# Altium PCB DRS4-PCB.PcbDoc (part 13 of 15) (continued)
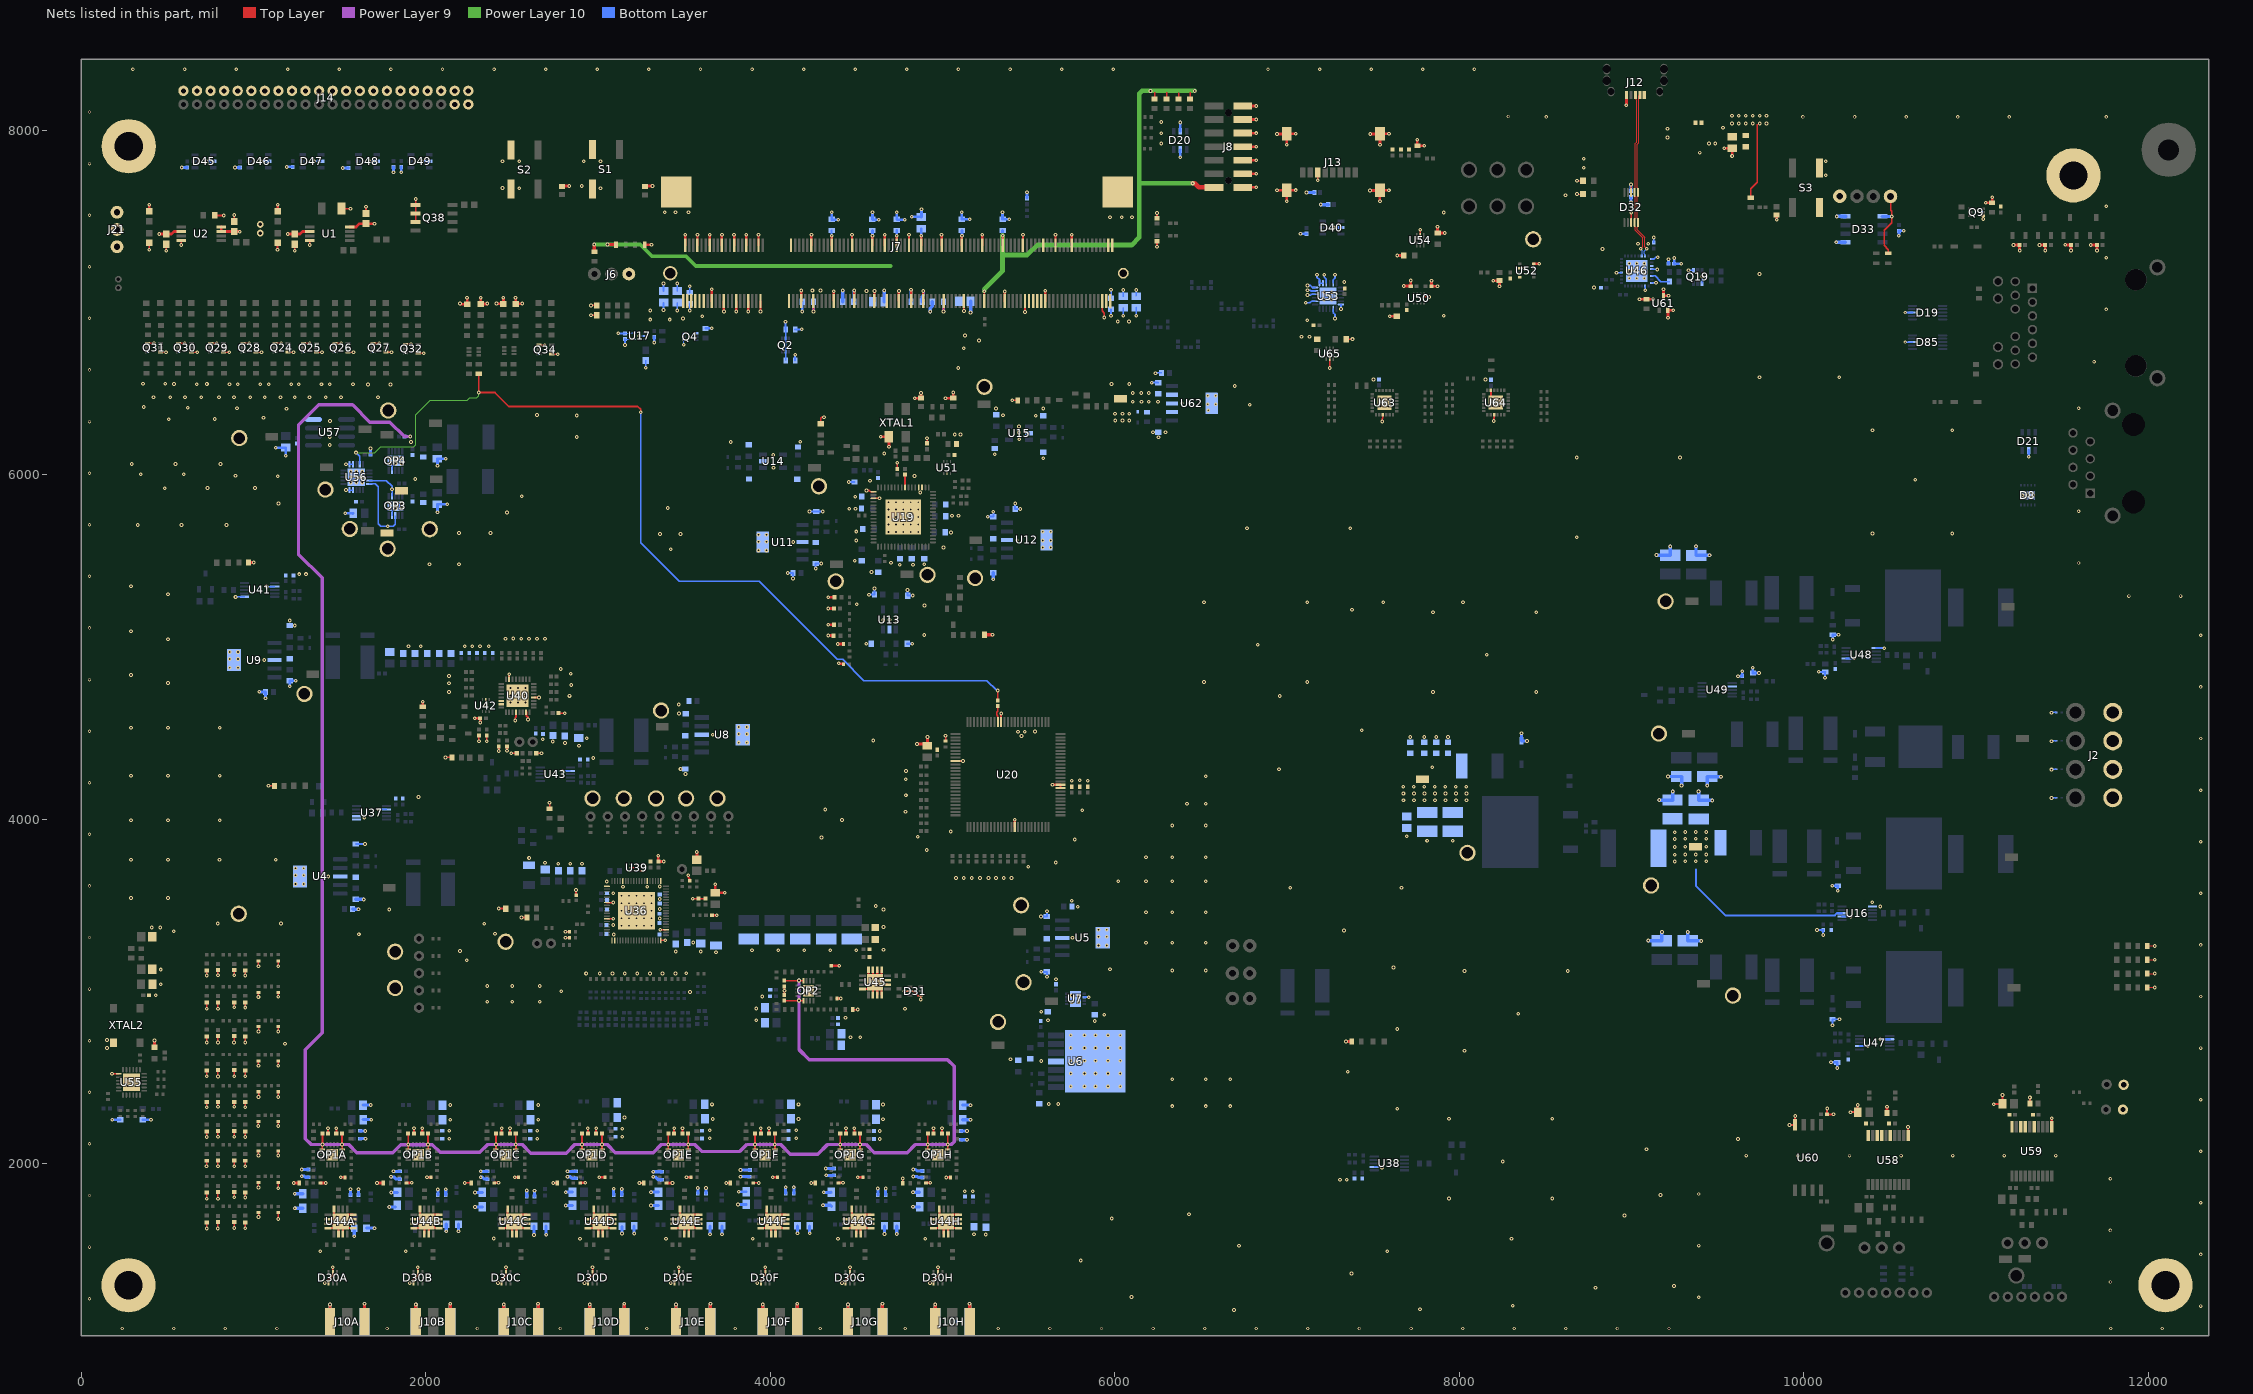
[diagram p23: the nets of this part, all layers, seen from the top]
## Nets (pads, with @x,y where several pads share a name; then routed paths per layer and width w, separated by ;. In a path a pad name is that pad's centre, name@x,y a point inside that pad or via, vN(x,y) a via of type N, cw(c..) or ccw(c..) an arc to the next point about the centre after c; other vN are vias at no path point) (continued)
  Top Layer w9.84: v1(2306.72,6477.06) 2400.65,6477.06 2481.53,6396.18 3230.41,6396.18 3247.37,6379.21 v1(3247.37,6361.97)
  Top Layer w10: v1(2306.72,6477.06) R318.1@2306.72,6586.61
  Power Layer 10 w6.88: v1(1594.59,6128.21) 1702.43,6128.21 1736.65,6162.43 1928.1,6162.43 1940.44,6174.77 1940.44,6346.85 2026.16,6432.57 2239.34,6432.57 2253.35,6446.58 2294.83,6446.58 2306.72,6458.46 v1(2306.72,6477.06)
  Bottom Layer w7.87: v1@3248.03,6361.97 3248.03,5604.02 3470.95,5381.11 3933.89,5381.11 4387.8,4927.2 4418.73,4927.2 4540.93,4805 5256.98,4805 5314.35,4747.62 v1(5319.88,4747.62)
  Bottom Layer w9.84: v1(1594.59,6128.21) 1615.96,6106.83 U56.14@1615.96,6060.88
VCAL_RST: R98.2 U20.16 | length 96.7
  Top Layer w7.87: R98.2@5319.88,4656.03 5319.87,4625.36 5314.03,4619.52 5314.03,4604.94 5320.16,4598.81 U20.16@5320.16,4564.25
VCC_1V0_PS: J7.42
VCC_1V8_PS: C81.1 C82.2 C83.2 C84.2 J7.94 J7.101 J7.106 J7.137 J7.146 J8.13 R36.2 R37.2 R38.2 R43.1 R340.2 R341.2 | length 5286.8
  Top Layer w5: R36.2@2977.06,7295.19 ccw(c2978.07,7295.19) R36.2@2978.07,7294.18
  Top Layer w7.87: J7.137@5241.74,7008.12 v1@5241.74,7064.95 ; 6230.35,8220.04 6230.52,8219.88 R38.2@6230.52,8180.91 ; R341.2@6299.75,8180.91 6299.75,8219.88 ; R37.2@6370.31,8179.39 6370.31,8218.35 ; R340.2@6436.42,8180.91 6436.42,8219.88
  Top Layer w11.81: J7.101@4816.58,7008.12 J7.101@4817.61,7009.12
  Top Layer w13.78: J7.94@4733.91,7331.12 v1@4733.93,7387.95 ; J7.101@4817.61,7009.12 v1@4817.61,7072.94 ; J7.106@4875.63,7331.12 v1@4875.65,7387.95 ; J7.146@5348.03,7331.12 v1@5348.05,7387.94
  Top Layer w15.75: v1(3054.4,7335.91) R43.1@3103.24,7335.91
  Top Layer w19.68: R36.2@2977.05,7295.19 v1@2977.05,7332.76
  Top Layer w27.56: v4(6451.49,7692.01) 6463.83,7692.01 6487.76,7668.08 J8.13@6575.46,7668.08
  Power Layer 10 w21.65: v1(2977.05,7335.91) v1(3054.4,7335.91) 3244.83,7335.91 3312.19,7268.55 3509.45,7268.55 3566.74,7211.26 4696.63,7211.26
  Power Layer 10 w27.56: v1@5241.74,7064.95 5241.74,7076.46 5348.03,7182.75 5348.03,7276.04 5491.77,7276.04 5549.19,7333.46 6097.74,7333.46 6141.45,7377.17 6141.45,7544.47 6141.45,7690.89 ; 5348.03,7276.96 v1@5348.03,7387.95 ; v4(6451.49,7692.01) 6142.57,7692.01 6141.45,7690.89 ; v1@6463.19,8228.83 6206.06,8228.83 6157.6,8228.83 6141.45,8212.69 6141.45,7690.89
  Bottom Layer w9.8: C82.2@5348.03,7417.13 C82.2@5348.5,7417.6
  Bottom Layer w15.75: v1@4733.9,7387.97 C84.2@4733.9,7417.6 ; v1@4875.65,7387.95 C81.1@4875.63,7428.38 ; v1@5348.03,7387.95 C82.2@5348.03,7417.13
  Bottom Layer w19.68: C83.2@4816.1,7003.82 v1@4816.1,7072.94
  other v1: 5241.97,7064.95 4816.81,7072.94 4734.17,7387.95 4875.87,7387.95 5348.27,7387.95 6206.06,8227.73 6463.19,8227.76
VCC_1V35: J7.41
VCC_3V3: C6.1 C7.1 C111.1 C112.1 C119.1 C120.1 C121.1 C122.1 D20.5 F5.1 FB3.2 J7.1 J7.3 J7.5 J7.7 J7.9 J7.11 J7.197 J7.199 J21.2 J22.1 TP4.1 U16.8 | length 1333.4
  Bottom Layer w10: v1(3379.92,6956.38) C121.1@3379.93,6998.82 ; v1(3459.72,6952.72) C120.1@3459.72,6998.82 ; v1(3532.2,6952.72) C122.1@3532.2,6992.66 ; v1(5977.24,6922.93) C119.1@5977.23,6959.41 ; v1(6049.09,6922.93) C112.1@6049.11,6969.02 ; v1(6124.53,6922.93) C111.1@6124.53,6971.39
  Bottom Layer w11.81: 9374.44,3707.46 9374.44,3610.99 9543.74,3441.69 10179.72,3441.69 10192,3453.97 U16.8@10222.07,3453.97
  Bottom Layer w15.75: D20.5@6378.82,7993.41 v1@6378.83,8048.02
  other v1: 9249.94,3754.64 9311.05,3756.27 9372.19,3756.27 9433.1,3756.27 9249.94,3794.01 9311.05,3795.64 9372.19,3795.64 9433.1,3795.64 9249.94,3838.22 9311.05,3839.85 9433.1,3839.85 9249.94,3884.56 9311.05,3886.19 9372.19,3886.19 9433.1,3886.19 9249.94,3923.93 9311.05,3925.56 9372.19,3925.56 9433.1,3925.56 6016.33,6889.92 6082.3,6889.92 3302.6,6900.31 3415.78,6900.31 3493.15,6906.45 3604.13,6919.57 3302.6,6952.72 6378.82,8045.12
VCC_BAT: J7.200
VCC_IO_B34: C67.1 C68.2 C69.2 C70.2 C72.1 C73.2 C74.2 C75.2 C370.2 J7.53 J7.62 J7.73 J7.82 J7.117 J7.126 Q2.2 Q2.5 R26.1 R28.1 TP95.1 U62.4 | length 848.2
  Top Layer w11.81: v1@4249.71,6947.37 J7.53@4249.7,7008.12 ; v1(5005.56,6947.36) J7.117@5005.55,7008.1
  Top Layer w13.78: J7.62@4355.99,7331.12 v1@4356.01,7387.95 ; J7.73@4485.9,7008.12 v1@4485.91,7069.13 ; J7.82@4592.19,7331.12 v1@4592.21,7387.95 ; J7.126@5111.83,7331.12 v1@5111.85,7387.95
  Bottom Layer w9.84: R28.1@4088.31,6664.1 R26.1@4088.31,6843.83
  Bottom Layer w11.81: v1(4087.99,6887.56) 4087.99,6844.32 4088.39,6843.92 R26.1@4088.31,6843.83 ; v1@4249.72,6947.36 v1@4250.06,6947.03 ; v1@4355.99,7387.95 C70.2@4355.98,7417.6
  Bottom Layer w15.75: v1@4250.06,6947.03 C68.2@4250.06,7004.09 C68.2@4250.06,7006.79 ; v1@4592.2,7387.97 C74.2@4592.2,7417.6 ; v1@5111.85,7387.95 5111.85,7417.96 C75.2@5111.94,7418.06
  Bottom Layer w19.68: C69.2@4485.08,7004.09 v1@4485.08,7069.13 ; C73.2@5004.81,7003.82 5004.81,6948.11 v1(5005.56,6947.36)
  other v1: 6104.35,6423.15 6153.98,6423.15 6197.02,6423.15 6249.91,6423.15 6104.35,6474.53 6152.87,6474.53 6197.02,6474.53 4249.96,6947.36 4486.14,7069.13 4356.22,7387.95 4592.44,7387.95 5112.09,7387.95
VCC_ROHM_PWREN: C63.2 J21.3 U17.4 | length 91.9
  Bottom Layer w5: C63.2@3155.71,6786.82 3156.52,6786.01 U17.4@3213.79,6786.01
  Bottom Layer w11.81: v1(3155.66,6753.38) 3155.66,6762.59 3155.71,6762.64 C63.2@3155.71,6786.82
VCC_TI_PORB: C127.1 C129.1 J22.2 R363.2 U1.2 U1.8 | length 328.1
  Top Layer w15.75: R363.2@1139.28,7525.96 v1(1139.28,7567.29) ; v1(1197.53,7396.83) 1268.07,7396.83 1283.06,7411.81 U1.2@1325.88,7411.81 ; U1.8@1558.17,7437.4 1595.37,7437.4 1615.33,7457.36 C127.1@1652.74,7457.36 v1(1702.05,7457.36)
VCC_TI_PWREN: C130.1 C132.1 J21.1 R365.1 U2.2 U2.7 U2.8 | length 309.8
  Top Layer w15.75: R365.1@393.36,7525.61 393.69,7525.94 v1(393.69,7567.27) ; v1(451.94,7396.81) C132.1@492.8,7396.81 522.49,7396.81 537.47,7411.79 U2.2@580.3,7411.81 ; U2.8@812.58,7437.4 U2.7@812.58,7411.81 C130.1@887.17,7411.79 918.82,7411.79 v1(919.94,7410.68)
VDD_MARS_3V3: C57.1 C58.1 C77.1 C78.2 C79.2 C80.2 C368.2 D16.2 D18.2 D79.1 FB6.2 R66.1 TP36.1 U62.2 | length 68.1
  Top Layer w7.87: v1(2958.26,6925) 2990.53,6924.99 2990.87,6925.34 D18.2@2991.72,6924.49 ; v1@2958.26,6983.67 2990.27,6983.67 D16.2@2991.81,6982.13
  other v1: 7674.78,4109.95 7735.92,4109.95 7796.83,4109.95 7857.97,4109.95 7918.88,4109.95 7980.02,4109.95 8040.92,4109.95 7674.78,4149.32 7735.92,4149.32 7796.83,4149.32 7857.97,4149.32 7918.88,4149.32 7980.02,4149.32 8040.92,4149.32 7674.25,4188.55 7735.39,4188.55 7796.3,4188.55 7857.44,4188.55 7918.35,4188.55 7979.49,4188.55 8040.39,4188.55 6001.43,6314.06 6044.45,6314.06 6083.61,6314.06 6000.97,6354.33 6044.45,6354.33 6083.61,6354.33 2958.26,6982.13
VMON_1V2: J7.198
VOUT: J7.89
VOUT+: OP3.7 TP74.1 U56.19 | length 208.2
  Bottom Layer w7.87: U56.19@1671.18,5966.3 1770.11,5966.3 1803.49,5932.92 v1@1803.49,5913.77 ; v1@1803.46,5913.79 v1(1803.46,5916.17) ; OP3.7@1803.49,5875.43 v1@1803.49,5912.6 ; v1@1804.45,5912.81 v1@1804.07,5913.18 ; v1@1803.49,5912.6 v1@1803.49,5913.77 ; v1@1803.49,5912.6 v1@1804.07,5913.18 ; v1@1803.49,5913.77 v1@1804.07,5913.18
VOUT-: OP3.3 TP73.1 U56.20 | length 434.1
  Bottom Layer w7.87: U56.20@1671.18,5946.61 1706.05,5946.61 1706.25,5946.82 1723,5930.07 1723,5715.36 1736.9,5701.47 v1(1777.9,5701.47) 1811.67,5701.47 1823.17,5712.97 OP3.3@1823.17,5762.83
XA: C91.2 U19.8 | length 73.8
  Top Layer w9.84: U19.8@4781.8,5926.47 C91.2@4781.81,6000.3
pads on no net: J1.None J8. OP4.1 OP4.2 OP4.3 OP4.5 Q9.3 Q9.4 Q9.5 T1.MH1 T1.MH2 U19.5 U57.1 U57.3 U57.5 U57.7 U57.8
copper on no net:
  other v2: 8801.22,8076.85 6447.61,8354.57

## Polygon pours and split planes (outlines as drawn)
VCC_IO_B34 on Power Layer 9 "Power Layer 8-VCC_IO_B34" (solid, pour order 28): 20 vertices, not listed, extent 4060,6393.02 6285,7425
VCC_3V3 on Power Layer 9 "Power Layer 8-VCC_3V3" (solid, pour order 26): 19 vertices, not listed, extent 174.68,3608.03 9914.89,8263.52
+4V_IN on Power Layer 9 "Power Layer 9-+4V_IN" (solid, pour order 2532): 11234.3,5021.46 11271.62,4984.14 11271.62,4603.92 11317.82,4557.72 11724.45,4557.72 11724.65,5257.26 11476.39,5505.51 10994.09,5505.51 10994.09,5021.46
CLK_VDD_1V8 on Power Layer 9 "Power Layer 8-CLK_VDD_1V8" (solid, pour order 44): 3913.91,5954.82 5016.8,5954.82 5016.81,5475.86 3909.04,5475.86
DRS4_2V5_MIC on Power Layer 9 " " (solid, pour order 2482): 6730.69,3028.31 6730.69,2572.16 6517.12,2358.59 5224.45,2358.59 5219.92,2363.12 5219.92,2585.71 6472.16,2585.71 6586.47,2700.02 6586.47,3028.31
+3V3_IN on Power Layer 9 "Power Layer 9-No Net 1" (solid, pour order 2530): 11376.67,4184.39 11723.52,4184.4 11723.52,2979.84 11485.86,2742.17 10984.25,2742.17 10984.25,3318.52 11236.28,3318.52 11306.78,3389.01 11306.78,4119.39
+3V3_SPM15 on Power Layer 9 "Power Layer 9-No Net 3" (solid, pour order 2528): 11723.21,4376.29 11246.37,4376.29 10956.99,4086.91 10956.99,3543 11283.18,3543.01 11283.18,4133.9 11348.54,4199.26 11723.21,4199.26
DRS4_2V5_TPS on Power Layer 9 " " (solid, pour order 2486): 6729.38,3376.31 6729.38,3205.57 5583.44,3205.57 5506.1,3128.23 5280.85,3128.23 5280.85,3376.31
DRS4_2V5_ADM on Power Layer 9 " " (solid, pour order 2484): 6728.87,3191.15 6728.87,3044.45 6536.44,3044.43 6355.6,2863.59 5973.48,2863.59 5973.48,3190.3 5972.64,3191.15
-1V_IN on Power Layer 9 "Power Layer 9-No Net 4" (solid, pour order 2160): 11310.03,4540.72 11209.59,4641.16 11035.29,4641.16 11035.29,4540.72 11035.29,4303.54 11141.04,4303.54 11231.85,4394.35 11722.59,4394.36 11722.59,4540.72
VDD_MARS_3V3 on Power Layer 9 "Power Layer 8-VDD_MARS_3V3 1" (solid, pour order 1764): 37 vertices, not listed, extent 2925,3844.41 8118.34,7010
S\H\D\N\ on Power Layer 9 "Power Layer 8-S\H\D\N\" (solid, pour order 866): 1737.89,5748.72 1775.22,5748.72 1775.23,6182.22 1774.46,6182.99 1739.16,6182.99 1737.89,6184.26
no net on Power Layer 9 "Power Layer 8-No Net 2" (solid, pour order 46): 8754.17,3601.96
no net on Power Layer 9 "Power Layer 8-No Net 1" (solid, pour order 30): 7992.14,4665.24
no net on Power Layer 9 "Power Layer 8-No Net" (solid, pour order 4): 8754.17,3768.47
VCC_TI_PWREN on Power Layer 10 "Power Layer 10-VCC_TI_PWREN" (solid, pour order 2570): 160.05,7475.27 337.42,7475.27 449.48,7363.2 503.26,7362.2 994.01,7362.2 994.01,7657.04 160.05,7657.04
USB_VCC on Power Layer 10 "Power Layer 9-USB_VCC" (solid, remove dead copper, pour order 52): 19 vertices, not listed, extent 8634.8,6892.5 9812.35,8101.79
VBUS on Power Layer 10 "Power Layer 9-VBUS" (solid, pour order 1016): 9226.75,7713.93 9044.71,7713.93 9015.69,7684.92 9016.27,7684.34 9016.27,7578.65 8900.81,7578.65 8900.81,8033.22 9226.75,8033.22
-1V on Power Layer 10 "Power Layer 9--1V" (solid, pour order 12): 24 vertices, not listed, extent 1300.45,1477.08 10070.86,5832.52
VCC_ROHM_PWREN on Power Layer 10 "Power Layer 10-VCC_ROHM_PWREN" (solid, pour order 2574): 310.66,7163.94 271.25,7203.35 148.26,7203.35 148.26,7374.03 290.15,7374.02 408.89,7253.06 2772.88,7253.06 3157.99,6865.25 3199.35,6823.9 3237.39,6823.9 3237.39,6706.92 3100.83,6706.92 2643.8,7163.94
+4V_IN on Power Layer 10 "Power Layer 9-+4V_IN" (solid, pour order 2542): 11234.3,5021.46 11271.62,4984.14 11271.62,4603.92 11317.82,4557.72 11724.45,4557.72 11724.65,5257.26 11476.39,5505.51 10994.09,5505.51 10994.09,5021.46
VCC_TI_PORB on Power Layer 10 "Power Layer 10-VCC_TI_PORB" (solid, pour order 2572): 1012.78,7272.68 1107.67,7272.68 1726.66,7272.68 1726.66,7610.49 1493.34,7610.49 1125.32,7610.49 1125.32,7445.88 1107.88,7428.43 1012.78,7428.43
4V on Power Layer 10 "Power Layer 9-4V" (solid, pour order 10): 9150.32,5446.27 9369.66,5446.27 9452.93,5446.27 9452.93,4861.46 8816.71,4861.46 8816.71,2089.94 1368.08,2089.94 1368.08,2805.12 3877.99,2805.12 4005.07,2805.12 4161.83,2648.36 7619.08,2648.36 7846.86,2886.74 7846.86,5446.27
CLK_VDDO_2V5 on Power Layer 10 "Power Layer 9-CLK_VDDO_2V5" (solid, pour order 32): 4526.59,5922.96 5257.22,5922.96 5257.22,5212.82 4519.37,5212.82
-1V_IN on Power Layer 10 "Power Layer 9-No Net 4" (solid, pour order 2548): 11310.03,4540.72 11209.59,4641.16 11035.29,4641.16 11035.29,4540.72 11035.29,4303.54 11141.04,4303.54 11231.85,4394.35 11722.59,4394.36 11722.59,4540.72
+3V3_SPM15 on Power Layer 10 "Power Layer 9-No Net 3" (solid, pour order 2546): 11723.21,4376.29 11246.37,4376.29 10956.99,4086.91 10956.99,3543 11283.18,3543.01 11283.18,4133.9 11348.54,4199.26 11723.21,4199.26
+3V3_IN on Power Layer 10 "Power Layer 9-No Net 1" (solid, pour order 2544): 11376.67,4184.39 11723.52,4184.4 11723.52,2979.84 11485.86,2742.17 10984.25,2742.17 10984.25,3318.52 11236.28,3318.52 11306.78,3389.01 11306.78,4119.39
VCC_1V8_PS on Power Layer 10 "Power Layer 9-VCC_1V8_PS" (solid, pour order 1234): 4948.31,7035 5240.37,7035 5417.64,7035 5417.64,7449.25 4619.53,7449.25 4619.53,7035
3V3_SD on Power Layer 10 "Power Layer 9-3V3_SD" (solid, pour order 986): 17 vertices, not listed, extent 7053.74,6995.14 7421.19,7814.47
3V3_LED on Power Layer 10 "Top Layer-3V3_LED" (solid, pour order 852): 181.84,6678.23 181.84,7097.31 191.69,7107.17 258.23,7107.17 258.53,7106.87 258.53,6682.47 262.88,6678.23 2163.86,6678.23 2163.86,6818.87 2580.19,6818.87 2580.19,6577.94 2163.86,6577.94 181.24,6577.94 181.23,6678.23
FTDI_1V8 on Power Layer 10 "Power Layer 9-FTDI_1V8" (solid, pour order 74): 9136.35,7009.21 9091.07,7008.89 8990.82,7109.13 8839.25,7109.13 8839.25,6984.72 8955.19,6984.72 9046.16,6893.75 9136.36,6893.75
LT_3V3 on Power Layer 10 "Power Layer 9-LT_3V3" (solid, pour order 1162): 25 vertices, not listed, extent 10032.69,1292.93 10763.35,1818.36
PB_EXT_3V3 on Power Layer 10 "Power Layer 9-PB_EXT_3V3" (solid, pour order 1168): 11333,1591.42 11556.33,1591.42 11556.33,1181.67 11460.24,1181.67 11460.24,1358.95 11333,1486.18
LT_EXT_3V3 on Power Layer 10 "Power Layer 9-LT_EXT_3V3" (solid, pour order 1166): 10508.19,1543.66 10571.73,1607.21 10751.41,1607.21 10751.71,1221.14 10680.64,1221.14 10680.64,1436.21 10652.65,1464.2 10508.19,1464.2
FTDI_EXT_1V8 on Power Layer 10 "Power Layer 9-FTDI_EXT_1V8 1" (solid, pour order 1892): 10258.31,7661.61 10355.15,7661.61 10355.15,7551.7 10375.58,7531.27 10606.02,7531.27 10615.83,7521.46 10615.83,7438.92 10610.92,7434.01 10275.95,7434.01 10258.31,7448.96
PB_3V3 on Power Layer 10 "Power Layer 9-PB_3V3" (solid, pour order 1170): 11358.83,1620.76 11557.17,1620.76 11557.55,1876.88 11238.19,1876.88 11235.43,1874.12 11235.43,1403.14 11328.37,1403.13 11328.37,1590.29
PB_3V3_VISO on Power Layer 10 "Power Layer 9-PB_3V3_VISO" (solid, pour order 1172): 11229.57,1403.14 11229.57,1769.07 11074.85,1769.42 11074.85,1637.76 11122.77,1589.84 11122.77,1403.14
LT_3V3_VISO on Power Layer 10 "Power Layer 9-LT_3V3_VISO" (solid, pour order 1164): 10396.21,1459.43 10396.21,1682.58 10217.55,1682.58 10217.55,1579.53 10305.03,1492.06 10305.03,1459.43
NetC287_1 on Top Layer "Top Layer-3.3V 8" (solid, pour order 762): 231.95,2350.01 246.98,2365.04 247,2415.68 231.83,2415.68 231.83,2393.4 208.15,2369.71 208.27,2349.93
CLK_VDDO_3V3 on Top Layer "Top Layer-CLK_VDDO_3V3 2" (solid, pour order 1880): 4667.22,5458.43 4841.98,5457.92 4841.98,5355.23 4667.22,5355.23
TRB_GND on Top Layer "Top Layer-GND 38" (solid, pour order 908): 3105.7,3595.64 3105.7,3356.82 3337.3,3356.82 3337.3,3584.76 3372.06,3619.52 3372.06,3663.57 3357.23,3678.4 3252.5,3678.4 3247.4,3683.5 3247.4,3753.64 3203.22,3753.64 3203.22,3682.26 3199.37,3678.4 3105.7,3678.4
DRS4_DVDD on Top Layer "Top Layer-DRS4_DVDD 1" (solid, pour order 496): 3453.45,3330 3517.91,3330 3517.91,3354.13 3475.68,3396.36 3413.92,3396.36 3375.18,3396.36 3372.4,3396.36 3372.4,3367.5 3415.96,3367.5
3.3V on Top Layer "Bottom Layer-3.3V 31" (solid, pour order 754): 5041.01,4371.51 5050.64,4371.51 5050.64,4383 5042.03,4383 4877.55,4383 4877.55,4326.44 4997.98,4326.44 5027.27,4355.74
3.3V on Top Layer "Top Layer-3.3V 24" (solid, pour order 1780): 7359.13,6081.55 7359.13,6142.83 7828.35,6142.83 7828.35,6081.55
VBUS on Top Layer "Top Layer-VBUS" (solid, pour order 56): 9210.73,8107.57 9084.48,8233.82 9059.93,8233.82 9059.93,7906.19 9379.57,7906.19 9379.57,8107.56
NEUTRAL on Top Layer "Ground Layer 2-SH" (solid, pour order 2587): 8908.64,8187.24 8973.96,8252.56 9078.18,8252.56 9142.76,8187.23 11928.8,8187.22 11928.8,6593.32 11736.11,6400.63 11736.11,5612.32 12295.03,5612.32 12295.03,8388.61 8394.25,8388.61 8394.25,8187.24
VCC_3V3 on Top Layer "Top Layer-VCC_3V3" (solid, pour order 850): 5963.46,6927.39 5963.46,6876.34 6146.63,6876.34 6146.63,7049.63 5941.6,7049.63 5941.6,6949.25
TRB_GND on Top Layer "Top Layer-GND 86" (solid, pour order 1918): 7167.89,6867.39 7167.89,6877.2 7128.29,6916.8 7093.2,6916.8 7093.2,6841.74 7090.75,6839.29 7167.89,6839.29
1V8_TXS02612RTWR on Top Layer "Top Layer-1V8_TXS02612RTWR" (solid, pour order 1914): 19 vertices, not listed, extent 7172.33,6654.96 7303.77,6934.15
1V8_LIS3MDLTR on Top Layer "Top Layer-1V8_LIS3MDLTR" (solid, pour order 1902): 17 vertices, not listed, extent 7717.83,7046.44 7764.98,7407.87
NetC266_2 on Top Layer "Top Layer-3.3V 15" (solid, pour order 1004): 7613.41,7021.91 7747.36,7021.91 7768.55,7043.11 7768.55,7063.69 7781.94,7063.69 7781.96,7039.4 7745.52,7002.96 7745.52,6971.17 7672.09,6971.17 7664.59,6963.67 7613.42,6963.67
TRB_GND on Top Layer "Top Layer-GND 44" (solid, pour order 938): 25 vertices, not listed, extent 2307.98,4640.02 2605.29,4789.5
+4V_IN on Top Layer "Power Layer 9-+4V_IN" (solid, pour order 2140): 11234.3,5021.46 11271.62,4984.14 11271.62,4603.92 11317.82,4557.72 11724.45,4557.72 11724.65,5257.26 11476.39,5505.51 10994.09,5505.51 10994.09,5021.46
USB_VCC on Top Layer "Top Layer-USB_VCC" (solid, pour order 72): 9539.11,7936.17 9507.22,7904.28 9392.09,7904.28 9392.09,8106.44 9807.7,8106.44 9807.7,7936.17 9687.76,7936.17
NetC240_2 on Top Layer "Bottom Layer-3.3V 35" (solid, pour order 1134): 4578.29,3473.19 4578.29,3282.88 4555.78,3260.37 4555.78,3082.59 4481.43,3082.59 4481.43,3472.73
TRB_GND on Top Layer "Top Layer-GND 54" (solid, pour order 2578): 2978.58,7580.83 2999.88,7580.83 3036.87,7617.61 3036.88,7961.35 2886.43,7961.35 2886.43,7580.83
TRB_GND on Top Layer "Top Layer-GND 54" (solid, pour order 970): 2506.72,7580.83 2528.01,7580.83 2565.01,7617.61 2565.01,7961.35 2414.56,7961.35 2414.56,7580.83
POR on Top Layer "Top Layer-PS_SRST#" (solid, pour order 960): 2619.27,7958.13 2724.3,7958.13 2724.3,7659.2 2734.62,7648.88 2820.6,7648.88 2820.6,7580.83 2619.27,7580.83
DRS4_AVDD on Top Layer "Top Layer-DRS4_AVDD 3" (solid, pour order 472): 3069.5,3601.78 3032.14,3601.78 3023.45,3610.47 3023.45,3672.55 2953.27,3672.55 2943.59,3662.87 2943.59,3602.2 2976.52,3602.2 2991.76,3586.96 3069.63,3586.96
TRB_GND on Top Layer " " (solid, pour order 2522): 983.28,3472.54 1552.58,3472.54 1555.42,3475.39 1555.42,3890.39 1464.11,3981.7 1266.68,3981.7 943.03,4305.35 749.64,4305.35 749.64,3472.54
TRB_GND on Top Layer " " (solid, pour order 2500): 22 vertices, not listed, extent 1772.06,5516.63 2479.28,6248.58
TRB_GND on Top Layer " " (solid, pour order 2488): 5708.46,1346.32 7238.75,1346.32 7238.75,2880.12 6627.8,2880.12 6532.28,2975.64 6532.28,3301.71 7412.88,4182.31 7412.87,5444.24 6015.95,5444.24 6015.95,3971.11 5712.57,3667.73
TRB_GND on Top Layer " " (solid, pour order 2456): 110.59,5449.6 1101.95,5449.6 1101.95,4613.43 983.28,4494.76 983.28,3472.54 110.59,3472.54
-1V_IN on Top Layer "Power Layer 9-No Net 4" (solid, pour order 2158): 11310.03,4540.72 11209.59,4641.16 11035.29,4641.16 11035.29,4540.72 11035.29,4303.54 11141.04,4303.54 11231.85,4394.35 11722.59,4394.36 11722.59,4540.72
+3V3_SPM15 on Top Layer "Power Layer 9-No Net 3" (solid, pour order 2146): 11723.21,4376.29 11246.37,4376.29 10956.99,4086.91 10956.99,3543 11283.18,3543.01 11283.18,4133.9 11348.54,4199.26 11723.21,4199.26
+3V3_IN on Top Layer "Power Layer 9-No Net 1" (solid, pour order 2142): 11376.67,4184.39 11723.52,4184.4 11723.52,2979.84 11485.86,2742.17 10984.25,2742.17 10984.25,3318.52 11236.28,3318.52 11306.78,3389.01 11306.78,4119.39
"3V ADC" on Top Layer "Top Layer-ADC_AVDD 1" (solid, pour order 1834): 2654.15,4613.32 2670.74,4596.73 2922.92,4596.73 2922.92,4521.91 2623.89,4521.55 2595.61,4549.82 2595.39,4638.31 2654.13,4638.31
4V on Top Layer "Top Layer-4V" (solid, pour order 1032): 9274.98,5377.08 10007.2,5377.08 10059.85,5324.43 10059.85,4463.17 10376.9,4463.17 10376.91,4144.73 10378.1,4143.54 9824.14,4143.54 9822.95,4142.34 9822.95,4918.77 9806.13,4935.59 9307.28,4935.59 9270.19,4972.68
NetC269_1 on Top Layer "Top Layer-3.3V 16" (solid, pour order 996): 22 vertices, not listed, extent 8189.17,7154.93 8449.93,7236.08
DRS4_AVDD on Top Layer "Top Layer-DRS4_AVDD" (solid, pour order 492): 3068.82,3493.81 2979.07,3493.81 2979.07,3515.97 3023.35,3515.97 3032.84,3506.47 3068.86,3506.47
DRS4_AVDD on Top Layer "Top Layer-DRS4_AVDD 2" (solid, pour order 488): 2966.14,3432.85 2949.48,3416.19 2949.48,3398.17 2977.78,3398.17 3070.72,3398.17 3070.72,3411.55 3030.89,3411.55 3009.4,3433.04
VCC_3V3 on Top Layer "Top Layer-VCC_3V3 1" (solid, pour order 820): 3622.7,6869.77 3255.44,6869.77 3255.44,7011.58 3300.27,7056.4 3622.7,7056.4
3.3V on Top Layer "Top Layer-3.3V 26" (solid, pour order 1786): 7583.64,6477.16 7564.94,6477.16 7564.59,6476.81 7564.59,6506.1 7559.34,6511.35 7559.34,6532.88 7587.89,6532.88 7587.89,6510.39 7583.64,6506.14
TRB_GND on Top Layer " " (solid, pour order 2564): 3601.23,4294.32 4115.12,4294.32 4115.12,4983.04 3701.26,4983.04 3699.52,4984.77 3699.52,4719.21 3601.23,4620.91
TRB_GND on Top Layer "Top Layer-GND 74" (solid, pour order 1252): 470,3399.83 476.09,3393.75 476.09,3262.25 467.31,3253.47 383.33,3253.47 383.33,3399.83
TRB_GND on Top Layer "Top Layer-GND 75" (solid, pour order 1250): 381.87,2959.65 381.48,2959.26 470.93,2959.26 477.5,2965.84 477.5,3202.73 472.1,3208.13 381.92,3208.13
NetC289_2 on Top Layer "Top Layer-NetC289_2" (solid, pour order 1248): 264.43,3209.58 376.97,3209.58 377.16,2876.6 374.71,2874.14 278.02,2874.14 264.43,2887.73
3.3V on Top Layer "Top Layer-3.3V 23" (solid, pour order 1246): 268.92,3229.3 370.46,3229.3 376.72,3235.56 376.72,3399.73 267.74,3399.73 263.88,3395.88 263.88,3229.3
TRB_GND on Top Layer " " (solid, pour order 2562): 6278.51,6640.02 6523.35,6640.01 7017.51,6145.85 7017.51,6029.62 7014.52,6026.62 6277.14,6026.62
TRB_GND on Top Layer " " (solid, pour order 2560): 3996.03,5684.72 3996.03,5492.53 3830.89,5492.53 3519.23,5180.88 2785.22,5180.88 2773.43,5169.09 2773.43,5684.72 3799.03,5684.72
TRB_GND on Top Layer " " (solid, pour order 2558): 5415.25,5749.69 7412.88,5749.7 7412.87,5378 5415.25,5378
TRB_GND on Top Layer " " (solid, pour order 2518): 8882.85,7166.15 8998.25,7050.75 9123.17,7050.75 9164.81,7092.39 9522.67,7092.39 9522.67,7399.86 9222.89,7399.86 9107.14,7284.11 9036.56,7284.11 8920.81,7399.86 8606.78,7399.86 8606.78,7166.34
TRB_GND on Top Layer "Top Layer-GND 36" (solid, pour order 854): 21 vertices, not listed, extent 4666.35,5643.5 5064.48,6058.88
DRS4_DVDD on Top Layer "Top Layer-2V5_DRS_DIG 2" (solid, pour order 1838): 5374.33,3378.08 5523.94,3378.08 5524.17,3313.36 5524.57,3312.96 5374.33,3313.36
TRB_GND on Top Layer "Top Layer-GND 21" (solid, pour order 478): 3358.26,3663.57 3372.06,3663.57 3372.06,3616.13 3372.06,3594.93 3336.8,3594.93 3336.8,3618.86 3353.03,3618.86 3356.86,3622.69 3356.86,3663.57
TRB_GND on Top Layer "Top Layer-GND 22" (solid, pour order 476): 3274.98,3586.97 3299.29,3586.96 3299.29,3609.53 3293.58,3615.24 3293.58,3662.99 3277.6,3663.14 3277.46,3614.79 3271.8,3609.13 3271.8,3586.92
TRB_GND on Top Layer "Top Layer-GND 23" (solid, pour order 474): 3134.46,3582.82 3160.98,3582.67 3160.98,3609.35 3151.52,3618.8 3151.52,3663.71 3136.01,3663.81 3135.89,3618.71 3128.35,3611.17 3128.35,3582.7
DRS4_DVDD on Top Layer "Top Layer-DRS4_DVDD" (solid, pour order 592): 3461.88,3525.61 3372.22,3525.51 3372.22,3554.04 3461.88,3554.04
TRB_GND on Top Layer "Top Layer-GND 16" (solid, pour order 494): 3026.98,3610.2 3033.91,3603.27 3069.53,3603.27 3069.53,3674.52 3027.17,3674.52
DRS4_AVDD on Top Layer "Top Layer-DRS4_AVDD 1" (solid, pour order 490): 3027.16,3332.96 2983.11,3288.9 2983.11,3242.4 3067.91,3242.4 3067.91,3321.78 3067.91,3332.96
TRB_GND on Top Layer "Top Layer-GND 17" (solid, pour order 486): 3074.18,3323.05 3074.18,3273.77 3102.78,3273.77 3102.9,3317.32 3107.13,3321.55 3107.13,3344.94 3074.18,3344.94
TRB_GND on Top Layer " " (solid, pour order 2502): 19 vertices, not listed, extent 307.98,5756.47 1678.7,6415.48
TRB_GND on Top Layer " " (solid, pour order 2492): 1483.38,5736.07 1483.38,5556.52 1469.48,5542.62 1289.93,5542.62 308.68,5542.62 308.68,5856.38 1491.86,5856.38 1506.08,5870.6 1506.08,6075.07 1700,6075.07 1780.92,6150.75 1780.92,5756.47 1603.65,5756.47 1503.79,5756.47
VOUT+ on Top Layer "Top Layer-VOUT+" (solid, pour order 882): 1789.62,5923.3 1796.36,5930.04 1905.61,5930.04 1905.69,5869.48 1789.62,5869.48
no net on Top Layer " " (solid, pour order 2458): 8960.22,7966.21
NetQ8_1 on Top Layer "Top Layer-NetQ8_1" (solid, pour order 230): 10894.8,7515.44 10938.27,7515.44 10941.57,7512.14 10980.08,7512.14 10980.08,7495.36 10981.5,7493.95 10947.01,7493.95 10934.25,7481.19 10898.82,7481.19 10894.8,7481.19
NetC217D_2 on Top Layer "Top Layer-3.3V 22" (solid, pour order 1350): 3040.28,1717.99 3143.27,1717.99 3143.27,1776.57 3057.36,1776.57 3040.28,1759.49
TRB_GND on Top Layer "Bottom Layer-GND 85" (solid, pour order 1136): 4685.16,3515.19 4685.16,3192.44 4666.66,3173.94 4560.78,3173.94 4560.5,3252.59 4586.35,3278.43 4586.35,3515.19
NetC217C_2 on Top Layer "Top Layer-3.3V 22" (solid, pour order 1348): 2540.12,1717.99 2639.47,1717.99 2639.47,1794.61 2575.24,1794.61 2540.12,1759.49
NetC288_1 on Top Layer "Top Layer-3.3V 6" (solid, pour order 780): 387.77,2514.46 454.53,2581.21 454.53,2630.81 362.92,2630.81 362.83,2541.12 348.29,2526.58 348.37,2514.46
NetC286_1 on Top Layer "Top Layer-3.3V 7" (solid, pour order 764): 333,2414.98 333,2339.78 378.62,2339.67 378.71,2364.47 349.64,2393.54 349.64,2414.98
NetC222_1 on Top Layer "Top Layer-4V 1" (solid, pour order 2282): 4180.58,3043.1 4180.58,2967.48 4114.08,2967.48 4109.02,2972.54 4109.02,3038.5 4113.61,3043.1
TRB_GND on Top Layer "Top Layer-GND 9" (solid, pour order 118): 11178.35,2375.34 11178.35,2322.12 11206.25,2294.22 11206.25,2270.41 11220,2256.66 11220,2177.4 11196.25,2177.4 11196.25,2257.5 11135.91,2317.84 11129.11,2317.84 11129.11,2375.34 11168.35,2375.34
TRB_GND on Top Layer "Bottom Layer-GND 67" (solid, pour order 760): 4879.59,4391.38 4927.27,4391.38 4945.57,4391.38 4983.99,4391.38 4983.99,4454.91 4879.59,4454.91
TPCB_GND on Top Layer "Top Layer-PB_3V3 1" (solid, pour order 2280): 11193.09,1405.44 11273.87,1405.44 11280.19,1399.12 11280.19,1321.51 11182.84,1321.51 11182.84,1397.83
PB_3V3 on Top Layer "Top Layer-PB_3V3 1" (solid, pour order 2278): 11241.61,1501.59 11322.39,1501.59 11328.71,1495.27 11328.71,1417.66 11231.36,1417.66 11231.36,1493.98
PB_3V3_VISO on Top Layer "Top Layer-PB_3V3 1" (solid, pour order 2276): 11130.03,1500.82 11210.82,1500.82 11217.14,1494.5 11217.14,1416.89 11119.78,1416.89 11119.79,1493.21
LT_3V3 on Top Layer "Top Layer-PB_3V3 1" (solid, pour order 2274): 10096.11,1681.34 10176.89,1681.34 10183.21,1675.02 10183.21,1597.41 10085.86,1597.41 10085.86,1673.73
TLTB_GND on Top Layer "Top Layer-PB_3V3 1" (solid, pour order 2272): 10092.18,1592.61 10172.96,1592.61 10179.28,1586.29 10179.28,1508.68 10081.93,1508.68 10081.93,1585.01
3V3_VIN_PB on Top Layer "Top Layer-3.3V" (solid, pour order 116): 11193.35,2367.09 11193.35,2375.65 11243.75,2375.65 11243.75,2367.5 11243.75,2180 11221.25,2180 11221.25,2260.75 11212.5,2269.5 11212.5,2299.54 11193.35,2318.7
3V3_VIN_LT on Top Layer "Top Layer-3.3V" (solid, pour order 108): 10409.8,2328.76 10410.22,2132.5 10390,2132.5 10390,2213.64 10381.25,2222.39 10381.25,2245 10353.75,2272.5 10353.75,2328.76
FTDI_1V8 on Top Layer " " (solid, pour order 2270): 9065.19,6979.1 9174.42,6979.1 9174.69,6931.94 9176.82,6929.81 9131.78,6929.81 9114.74,6946.85 9065.19,6946.85
TRB_GND on Top Layer " " (solid, pour order 2234): 3347.96,7745.79 3566,7745.79 3566.62,7745.16 3566.62,7469.95 3330.81,7469.95 3330.81,7745.79
"2V5 ADC" on Top Layer "Top Layer-ADC_DVDD" (solid, pour order 1982): 2300.04,4874.2 2181.83,4874.2 2181.82,4953.15 2346.9,4953.15 2470.78,4829.27 2470.78,4794.37 2379.86,4794.37